# Altium PCB PD_dvd.PcbDoc
Units mm, origin at the board's own origin, x right, y up, seen from the top; angles counter-clockwise.
Board outline 70.62 x 31.89 mm, 2 copper layers (Top Layer, Bottom Layer), stack 1.571 mm thick; 91 components, 45 nets, 228 pads, 131 vias.
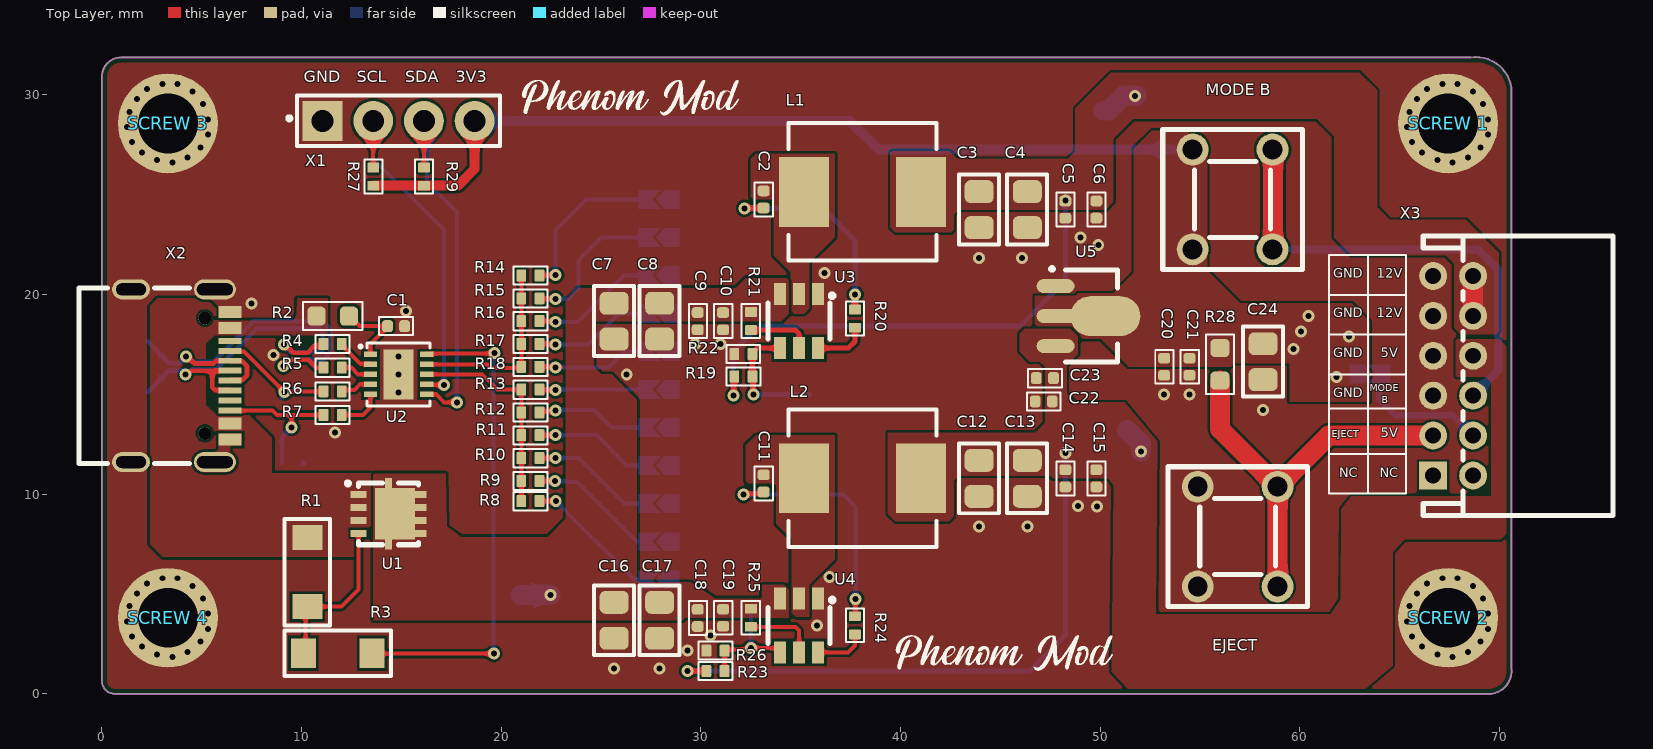
[diagram p0: Top Layer view]
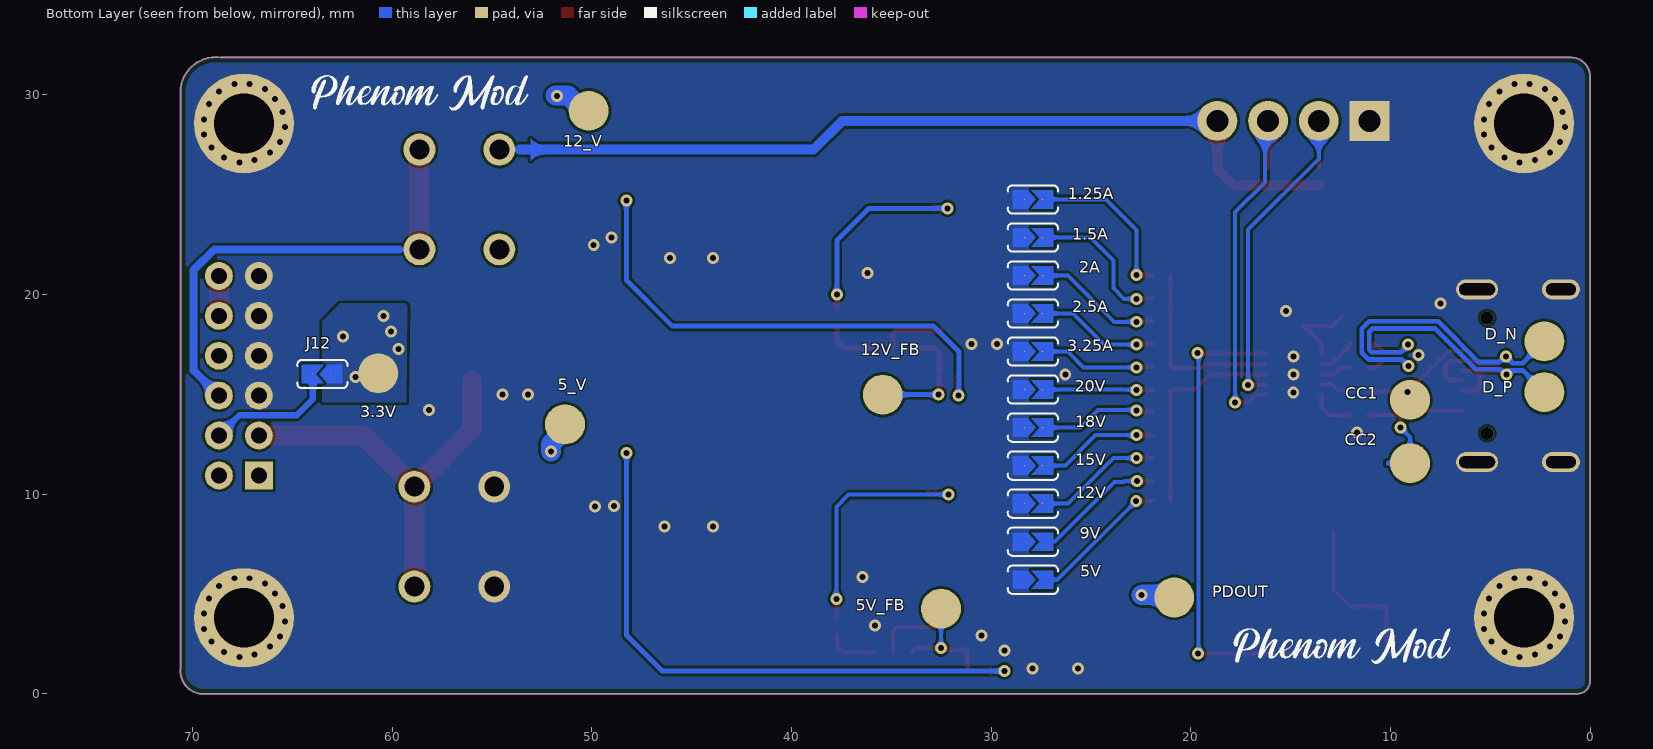
[diagram p1: Bottom Layer view, seen from below]
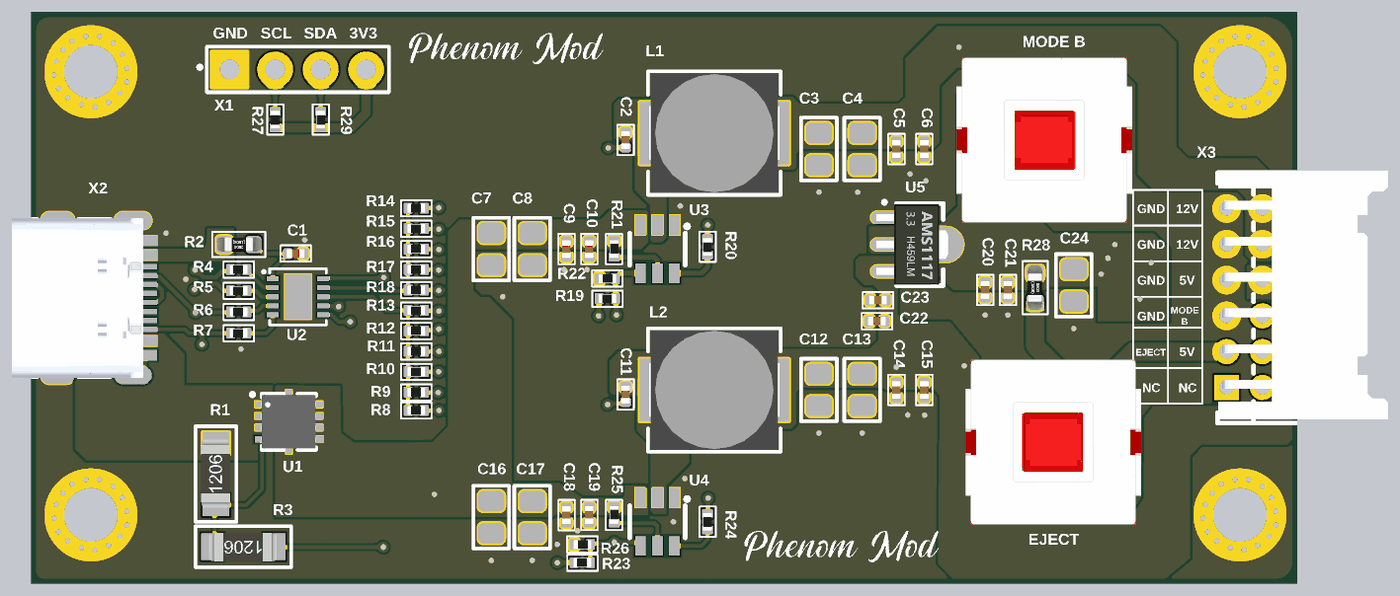
[diagram p2: 3D render of the assembled board from above, using the file's embedded part models]

## Layer stack, top to bottom
Top Solder: solder mask 0.0102, Solder Resist, Dk 3.8
Top Layer: signal copper 0.0356
Dielectric 1: dielectric 1.5, FR-4, Dk 4.8
Bottom Layer: signal copper 0.0356
Bottom Solder: solder mask 0.0102, Solder Resist, Dk 3.8

## Board outline
0.635,0 cw(c0.634,0.634) 0,0.635 0,30.988 cw(c0.953,30.924) 1.016,31.877 1.032,31.877 68.58,31.877 cw(c68.834,30.099) 70.612,30.353 70.612,1.27 cw(c69.469,1.143) 69.596,0

## Design rules (kind name [scope] priority, off if disabled: settings)
Clearance Clearance_keepout [OnLayer('Keep-Out Layer')] p1: gap=0.2 ignorepadtopadclearanceinfootprint=TRUE
Clearance [All] p2: gap=0.125 ignorepadtopadclearanceinfootprint=TRUE
DiffPairsRouting [All] p1: maxlimit=0.127 minlimit=0.127 mostfreqgap=0.127 toplayer_minwidth=0.237 toplayer_maxwidth=0.237 toplayer_prefwidth=0.237 bottomlayer_minwidth=0.237 bottomlayer_maxwidth=0.237 bottomlayer_prefwidth=0.237 impedanceprofiledriven=TRUE impedanceprofileid={5E5A4FA6-944C-4DC3-883A-710150A0DFEA} impedanceprofilevalue=90.000000 maxuncoupledlength=12.7
MinimumSolderMaskSliver [All] p1 off: minsoldermaskwidth=0.254
PolygonConnect [All] p1: connectstyle=Direct reliefconductorwidth=0.254 reliefentries=4 polygonreliefangle="90 Angle" airgapwidth=0.254
RoutingVias [All] p1: holewidth=0.711 width=1.27 viastyle="Through Hole" minholewidth=0.711 minwidth=1.27 maxholewidth=0.711 maxwidth=1.27
SilkToSilkClearance [All] p1 off: silktosilkclearance=0.254
SilkToSolderMaskClearance [IsPad] p1 off: minsilkscreentomaskgap=0.254 clearancetoexposedcopper=TRUE
SolderMaskExpansion [All] p1: expansion=0.102 istentingtop=FALSE
SupplyNets "Schematic Supply Nets_5" [InNet('GND')] p1: voltage=0.000
SupplyNets "Schematic Supply Nets_4" [InNet('VBUS')] p2: voltage=0.000
SupplyNets "Schematic Supply Nets_3" [InNet('3.3V')] p3: voltage=0.000
SupplyNets "Schematic Supply Nets_2" [InNet('12V')] p4: voltage=0.000
SupplyNets "Schematic Supply Nets_1" [InNet('VOUT')] p5: voltage=0.000
SupplyNets "Schematic Supply Nets" [InNet('5V')] p6: voltage=0.000
Width [All] p1: maxlimit=5 minlimit=0.12 preferedwidth=0.254 minimp=50.000000 maximp=50.000000 favimp=50.000000
26 further rules are at their usual default settings.

## Classes and differential pairs
differential pair class USB: D
component class USB_PD: 1.5A 1.25A 2.5A 2A 3.25A 5V 9V 12V 15V 18V 20V C1 CC1 CC2 D_N D_P PDOUT R1 R2 R3 R4 R5 R6 R7 R8 R9 R10 R11 R12 R13 R14 R15 R16 R17 R18 R27 R29 U1 U2 X1 X2
component class CONNECTOR: C24 EJECT J12 "MODE B" R28 "SCREW 1" "SCREW 2" "SCREW 3" "SCREW 4" X3
component class Buck_Regulator: 3.3V 5_V 5V_FB 12_V 12V_FB C2 C3 C4 C5 C6 C7 C8 C9 C10 C11 C12 C13 C14 C15 C16 C17 C18 C19 C20 C21 C22 C23 L1 L2 R19 R20 R21 R22 R23 R24 R25 R26 U3 U4 U5
differential pair D: +D_P -D_N

## Components (designator, comment, footprint, x,y, rotation, side; value= is the part's Value field where it differs from the comment)
1.5A "Jumper" PAD-JUMPER-2-NC_BY_PASTE_YES_SILK 27.813,22.86 r180 bottom
1.25A "Jumper" PAD-JUMPER-2-NC_BY_PASTE_YES_SILK 27.813,24.765 r180 bottom
2.5A "Jumper" PAD-JUMPER-2-NC_BY_PASTE_YES_SILK 27.813,19.05 r180 bottom
2A "Jumper" PAD-JUMPER-2-NC_BY_PASTE_YES_SILK 27.813,20.955 r180 bottom
3.3V "TEST POINT" TESTPOINT 60.706,16.054 r90 bottom
3.25A "Jumper" PAD-JUMPER-2-NC_BY_PASTE_YES_SILK 27.813,17.145 r180 bottom
5_V "TEST POINT" TESTPOINT 51.352,13.494 r180 bottom
5V "Jumper" PAD-JUMPER-2-NC_BY_PASTE_YES_SILK 27.813,5.715 r180 bottom
5V_FB "TEST POINT" TESTPOINT 32.512,4.265 r90 bottom
9V "Jumper" PAD-JUMPER-2-NC_BY_PASTE_YES_SILK 27.813,7.62 r180 bottom
12_V "TEST POINT" TESTPOINT 50.165,29.21 r270 bottom
12V "Jumper" PAD-JUMPER-2-NC_BY_PASTE_YES_SILK 27.813,9.525 r180 bottom
12V_FB "TEST POINT" TESTPOINT 35.433,14.986 r90 bottom
15V "Jumper" PAD-JUMPER-2-NC_BY_PASTE_YES_SILK 27.813,11.43 r180 bottom
18V "Jumper" PAD-JUMPER-2-NC_BY_PASTE_YES_SILK 27.813,13.335 r180 bottom
20V "Jumper" PAD-JUMPER-2-NC_BY_PASTE_YES_SILK 27.813,15.24 r180 bottom
C1 "SMD capacitor" "CAP 0402" 14.732,18.415 r0 top value=1uF
C2 "SMD capacitor" "CAP 0402" 33.147,24.765 r270 top value=100nF
C3 "SMD capacitor" CAP_0805 43.942,24.257 r270 top value=10uF
C4 "SMD capacitor" CAP_0805 46.355,24.257 r270 top value=10uF
C5 "SMD capacitor" "CAP 0402" 48.26,24.257 r270 top value=1uF
C6 "SMD capacitor" "CAP 0402" 49.813,24.26 r270 top value=100nF
C7 "SMD capacitor" CAP_0805 25.654,18.666 r270 top value=10uF
C8 "SMD capacitor" CAP_0805 27.94,18.666 r270 top value=10uF
C9 "SMD capacitor" "CAP 0402" 29.845,18.669 r270 top value=1uF
C10 "SMD capacitor" "CAP 0402" 31.115,18.669 r270 top value=100nF
C11 "SMD capacitor" "CAP 0402" 33.147,10.541 r270 top value=100nF
C12 "SMD capacitor" CAP_0805 43.942,10.792 r270 top value=10uF
C13 "SMD capacitor" CAP_0805 46.355,10.795 r270 top value=10uF
C14 "SMD capacitor" "CAP 0402" 48.26,10.795 r270 top value=1uF
C15 "SMD capacitor" "CAP 0402" 49.813,10.795 r270 top value=100nF
C16 "SMD capacitor" CAP_0805 25.654,3.683 r270 top value=10uF
C17 "SMD capacitor" CAP_0805 27.94,3.683 r270 top value=10uF
C18 "SMD capacitor" "CAP 0402" 29.845,3.801 r270 top value=1uF
C19 "SMD capacitor" "CAP 0402" 31.115,3.81 r270 top value=100nF
C20 "SMD capacitor" "CAP 0402" 53.213,16.383 r270 top value=1uF
C21 "SMD capacitor" "CAP 0402" 54.483,16.383 r270 top value=100nF
C22 "SMD capacitor" "CAP 0402" 47.179,14.646 r180 top value=1uF
C23 "SMD capacitor" "CAP 0402" 47.237,15.814 r180 top value=100nF
C24 "SMD capacitor" CAP_0805 58.166,16.637 r270 top value=10uF
CC1 "TEST POINT" TESTPOINT 9.017,14.732 r180 bottom
CC2 "TEST POINT" TESTPOINT 9.017,11.557 r180 bottom
D_N "TEST POINT" TESTPOINT 2.286,17.653 r180 bottom
D_P "TEST POINT" TESTPOINT 2.286,15.113 r180 bottom
EJECT "THT Button" SW-TH_BTSA-X-P-11 56.896,7.874 r270 top value=N/A
J12 "Jumper" PAD-JUMPER-2-NC_BY_PASTE_YES_SILK 63.603,16.018 r0 bottom
L1 "POWER INDUCTOR" INDP7166X50N 38.1,25.146 r0 top value=10uH
L2 "POWER INDUCTOR" INDP7166X50N 38.1,10.795 r0 top value=10uH
"MODE B" "THT Button" SW-TH_BTSA-X-P-11 56.642,24.765 r90 top value=N/A
PDOUT "TEST POINT" TESTPOINT 20.828,4.826 r90 bottom
R1 "SMD resistor" RES_1206 10.287,6.096 r90 top value=49.9K
R2 "SMD resistor" RES_0603 11.557,18.923 r180 top value=10R
R3 "SMD resistor" RES_1206 11.811,2.032 r180 top value=5.1K
R4 "SMD resistor" "RES 0402" 11.551,17.526 r180 top value=0R
R5 "SMD resistor" "RES 0402" 11.551,16.341 r180 top value=0R
R6 "SMD resistor" "RES 0402" 11.551,15.155 r180 top value=0R
R7 "SMD resistor" "RES 0402" 11.551,13.97 r180 top value=0R
R8 "SMD resistor" "RES 0402" 21.463,9.652 r180 top value=0R
R9 "SMD resistor" "RES 0402" 21.463,10.668 r180 top value=6.04K
R10 "SMD resistor" "RES 0402" 21.463,11.811 r180 top value=10K
R11 "SMD resistor" "RES 0402" 21.463,12.954 r180 top value=14K
R12 "SMD resistor" "RES 0402" 21.463,14.097 r180 top value=5.1K
R13 "SMD resistor" "RES 0402" 21.463,15.24 r180 top value=17.8K
R14 "SMD resistor" "RES 0402" 21.463,20.955 r180 top value=0R
R15 "SMD resistor" "RES 0402" 21.463,19.812 r180 top value=4.53K
R16 "SMD resistor" "RES 0402" 21.463,18.669 r180 top value=10.5K
R17 "SMD resistor" "RES 0402" 21.463,17.526 r180 top value=16.5K
R18 "SMD resistor" "RES 0402" 21.463,16.383 r180 top value=22.6K
R19 "SMD resistor" "RES 0402" 32.133,15.903 r180 top value=190K
R20 "SMD resistor" "RES 0402" 37.719,18.796 r270 top value=0R
R21 "SMD resistor" "RES 0402" 32.512,18.673 r90 top value=510K
R22 "SMD resistor" "RES 0402" 32.131,17.018 r0 top value=10K
R23 "SMD resistor" "RES 0402" 30.734,1.143 r180 top value=73.3K
R24 "SMD resistor" "RES 0402" 37.719,3.429 r270 top value=0R
R25 "SMD resistor" "RES 0402" 32.512,3.81 r90 top value=510K
R26 "SMD resistor" "RES 0402" 30.734,2.159 r0 top value=10K
R27 "SMD resistor NC" "RES 0402" 13.589,25.908 r270 top value=10K
R28 "SMD resistor" RES_0603 56.007,16.51 r270 top value=330R
R29 "SMD resistor NC" "RES 0402" 16.129,25.908 r270 top value=10K
"SCREW 1" "Screw Hole" "PCB hole" 67.437,28.575 r90 top
"SCREW 2" "Screw Hole" "PCB hole" 67.437,3.81 r90 top
"SCREW 3" "Screw Hole" "PCB hole" 3.302,28.575 r90 top
"SCREW 4" "Screw Hole" "PCB hole" 3.302,3.81 r90 top
U1 "P-Channel  MOSFET" PRPAK-8_L3.0-W3.0-P0.65-BL-EP 14.351,9.017 r270 top
U2 "USB-PD-IC" DFN-10 14.859,16.002 r270 top value=HUSB238_002DD
U3 "Buck IC" SOT-23-6_L2.9-W1.6-P0.95-LS2.8-BR 34.925,18.669 r90 top
U4 "Buck IC" SOT-23-6_L2.9-W1.6-P0.95-LS2.8-BR 34.925,3.429 r90 top
U5 "3.3V LDO" SOT-89-3_L4.5-W2.5-P1.50-LS4.1-BR 49.022,18.923 r180 top
X1 "Header X 5" SAMTEC_TS-104-T-A 16.129,28.702 r0 top
X2 "USB-C connector" USB-C-SMD_TYPEC-304J-BCP16 3.937,15.935 r270 top
X3 "Connector" CONN-TH_S12B-PHDSS-B-LF-SN 67.691,15.935 r90 top

## Footprints (in the part's own frame and the unit in brackets; to place one, negate y for a bottom-side part, rotate by r counter-clockwise, add the part's x,y. Pads: shape width x height; smd on the part's side, far side on the other; paste and mask are expansions set on the pad)
"CAP 0402" [mm]
  rrect53% 0.54x0.6 smd: 1(-0.43,0) 2(0.43,0)
  silkscreen extent -0.85,-0.45 0.85,0.46, body extent -0.5,-0.25 0.5,0.25, height 0.55
CAP_0805 [mm]
  rrect50% 1.15x1.45 smd: 1(-0.9,0) 2(0.9,0)
  silkscreen extent -1.75,-1.01 1.75,0.99, body extent -0.99,-0.63 1.01,0.62, height 1.25
CONN-TH_S12B-PHDSS-B-LF-SN [mm]
  rect 1.4x1.4 hole 0.8: 1(-5,1)
  round 1.4 hole 0.8: 2(-5,-1) 3(-3,1) 4(-3,-1) 5(-1,1) 6(-1,-1) 7(1,1) 8(1,-1) 9(3,1) 10(3,-1) 11(5,1) 12(5,-1)
  silkscreen extent -7,-8 7,1.5, body extent -6.78,-8.02 7.12,1.48, height 5
DFN-10 [mm]
  rect 0.28x0.665 smd paste+0 mask+0.05: 1(-1,-1.407) 2(-0.5,-1.407) 3(0,-1.407) 4(0.5,-1.407) 5(1,-1.407) 6(1,1.407) 7(0.5,1.407) 8(0,1.407) 9(-0.5,1.407) 10(-1,1.407)
  rect 2.5x1.5 smd paste+0 mask+0.05: 11(0,0)
  silkscreen extent -1.58,-1.98 1.58,1.58, body extent -1.5,-1.5 1.5,1.51, height 0.76
INDP7166X50N [mm] "Precision Wire Wound Inductor, 2-Leads, Body 7.10x6.60mm, IPC Medium Density"
  rect 2.5x3.5 smd: 1(-2.925,0) 2(2.925,0)
  silkscreen extent -3.7,-3.45 3.7,3.45, body extent -3.65,-3.3 3.65,3.3, height 5.1
PAD-JUMPER-2-NC_BY_PASTE_YES_SILK [mil]
  round 1 smd mask+4: 1(-20.53,0.09) 2(14.97,0.09)
  Top Layer region: -6.78,18.09 36.72,18.09 36.72,-17.91 -6.78,-17.91 9.72,0.09
  Top Layer region: -14.28,-17.91 -43.28,-17.91 -43.28,18.09 -14.28,18.09 2.22,0.09
  silkscreen extent -53,-28 46,28
"PCB hole" [mm]
  round 5 hole 3: 1(0,0)
PRPAK-8_L3.0-W3.0-P0.65-BL-EP [mm]
  rect 0.35x0.8 smd paste-100 mask+0.051: 1(-0.975,-1.5) 2(-0.325,-1.5) 3(0.325,-1.5) 4(0.975,-1.5) 5(0.975,1.5) 6(0.325,1.5) 7(-0.325,1.5) 8(-0.975,1.5)
  rect 0.6x0.35 smd paste-100 mask+0.051: 8(-1.5,0) 8(1.5,0)
  rect 2.6x2 smd paste-100 mask+0.051: 8(0,0.325)
  silkscreen extent -1.57,-2.08 1.55,1.5, body extent -1.5,-1.53 1.5,1.53, height 1
"RES 0402" [mm]
  rrect20% 0.49x0.6 smd: 1(-0.455,0) 2(0.455,0)
  silkscreen extent -0.85,-0.45 0.84,0.46, body extent -0.5,-0.25 0.5,0.25, height 0.36
RES_0603 [mm]
  rrect50% 0.9x0.96 smd mask+0.102: 1(-0.814,0) 2(0.814,0)
  silkscreen extent -1.49,-0.7 1.49,0.7, body extent -1.23,-0.41 1.23,0.39, height 0.8
RES_1206 [mm]
  rect 1.25x1.5 smd: 1(-1.725,0) 2(1.725,0)
  silkscreen extent -2.67,-1.14 2.67,1.14, body extent -1.88,-0.78 1.92,0.82, height 0.6
SAMTEC_TS-104-T-A [mm]
  rect 2x2 hole 1.1: 01(-5.08,0)
  round 2 hole 1.1: 02(-2.54,0) 03(0,0) 04(2.54,0)
  silkscreen extent -6.85,-1.27 3.81,1.27
SOT-23-6_L2.9-W1.6-P0.95-LS2.8-BR [mm]
  rect 1.1x0.6 smd paste+0 mask+0.051: 1(1.35,-0.95) 2(1.35,0) 3(1.35,0.95) 4(-1.35,0.95) 5(-1.35,0) 6(-1.35,-0.95)
  silkscreen extent -0.9,-1.74 1.36,1.55, body extent -1.41,-1.45 1.41,1.45, height 1
SOT-89-3_L4.5-W2.5-P1.50-LS4.1-BR [mm]
  oval 1.9x0.7 smd paste-100 mask+0.051: 1(1.25,-1.501) 3(1.25,1.501)
  oval 3.5x2 smd paste-100 mask+0.051: 2(-1.25,0)
  oval 2.1x0.7 smd paste-100 mask+0.051: 2(1.151,0)
  silkscreen extent -1.85,-2.42 1.49,2.3, body extent -2.13,-2.25 1.87,2.25, height 1.52
SW-TH_BTSA-X-P-11 [mm]
  round 1.6 hole 1: 1(-2.5,2) 2(-2.5,-2) 3(2.5,2) 4(2.5,-2)
  silkscreen extent -3.5,-3.5 3.5,3.5, body extent -4.6,-4.77 4.6,5.03, height 17.84
TESTPOINT [mm]
  round 2 smd: 1(0,0)
USB-C-SMD_TYPEC-304J-BCP16 [mm]
  oval 1x2.1 hole 0.6 slot 1.8 at 90 deg paste-2539.97 mask+0.051: 13(-4.325,1.719) 14(4.325,1.719)
  oval 1x1.9 hole 0.6 slot 1.5 at 90 deg paste-2539.97 mask+0.051: 15(-4.325,-2.481) 16(4.325,-2.481)
  rect 0.6x1.15 smd mask+0.04: A1B12(-3.2,2.481) A4B9(-2.4,2.481) B1A12(3.2,2.481) B4A9(2.4,2.481)
  rect 0.3x1.15 smd mask+0.04: A5(-1.25,2.481) A6(-0.25,2.481) A7(0.25,2.481) A8(1.25,2.481) B5(1.75,2.481) B6(0.75,2.481) B7(-0.75,2.481) B8(-1.75,2.481)
  round 0.65 hole 0.65 unplated paste-2539.97: ""(-2.89,1.219) ""(2.89,1.219)
  silkscreen extent -4.4,-5.08 4.4,0.44, body extent -4.47,-5.06 4.47,2.54, height 0.5

## Part data
1.5A 1.25A 2.5A 2A 3.25A 5V 9V 12V 15V 18V 20V J12: library part "JUMPER SOLDER BRIDGE", "SMD JUMPER"
C1 C2 C5 C6 C9 C10 C11 C14 C15 C18 C19 C20 C21 C22 C23: library part CAP_SMD_CERAMIC, Package=0603, Tolerance=±10%, Voltage=50V
C3 C4 C7 C8 C12 C13 C16 C17 C24: library part CAP_SMD_CERAMIC, Package=0805, Tolerance=±10%, Voltage=50V
EJECT "MODE B": library part BTSA-L-P-11, "Latching Through Hole 10,000 Cycles Without 2.5N 50mA Through Hole Pushbutton Switches ROHS", JLCPCB Part #=C2693635, Package=THT, Tolerance=N/A, Data Sheet=https://www.lcsc.com/datasheet/C2693635.pdf, Manifacturing Company Name="ROCPU Switches", Manifacturing Part Number=BTSA-L-P-11, Price=N/A
L1 L2: library part PSPMAA0605H-100M-ANP, "FIXED IND 10uH 4.5A 57mΩ SMD,6.6x7.1mm", Package=SMD,6.6x7.1mm, Data Sheet=https://www.lcsc.com/datasheet/C2983092.pdf, Manifacturing Company Name="PROD Tech", Manifacturing Part Number=PSPMAA0605H-100M-ANP
R1 R2 R3 R28: library part RES_SMD_CERAMIC, Package=0603, Tolerance=±5%
R4 R5 R6 R7 R8 R9 R10 R11 R12 R13 R14 R15 R16 R17 R18 R19 R20 R21 R22 R23 R24 R25 R26 R27 R29: library part RES_SMD_CERAMIC, Package=0402, Tolerance=±5%
"SCREW 1" "SCREW 2" "SCREW 3" "SCREW 4": "SCREW Hole"
U1: library part AONR21307, "30V 24A 9.2mΩ@10V 1.8V@250uA 1 P-Channel DFN-8(3x3) MOSFETs ROHS", JLCPCB Part #=C3277813, Package=DFN-8(3x3), Tolerance=N/A, Data Sheet=https://www.lcsc.com/datasheet/C3277813.pdf, Manifacturing Company Name=AOS, Manifacturing Part Number=AONR21307
U2: library part USB_PD_HUSB238, "DFN-10L(3x3) USB Converters ROHS", JLCPCB Part #=C7471904, Manifacturing Part Number=HUSB238_002DD, Package=DFN-10L(3x3), Tolerance=N/A, Data Sheet=https://www.lcsc.com/datasheet/C7471904.pdf, Manifacturing Company Name=Hynetek
U3 U4: library part TPP363080-T6TR, "Buck Adjustable 4.5V~36V 3A TSOT-23-6 DC-DC Converters ROHS", JLCPCB Part #=C18236275, Package=TSOT-23-6, Tolerance=N/A, Data Sheet=https://www.lcsc.com/datasheet/C18236275.pdf, Manifacturing Company Name=3PEAK, Manifacturing Part Number=TPP363080-T6TR
U5: library part AMS1117S-3.3, "70dB@(120Hz) 1A Fixed 3.3V Positive 30V SOT-89-3 Voltage Regulators - Linear, Low Drop Out (LDO) Regulators ROHS", JLCPCB Part #=JSMSEMI, Package=SOT-89-3, Tolerance=N/A, Data Sheet=https://www.lcsc.com/datasheet/C917152.pdf, Manifacturing Company Name=JSMSEMI, Manifacturing Part Number=AMS1117S-3.3
X1: library part "4 Pin Header", "4 pin header pitch 2.54mm", JLCPCB Part #=C91552, Package="THT P 2.54mm", Tolerance=N/A, Data Sheet=https://datasheet.lcsc.com/lcsc/2304140030_BOOMELE-Boom-Precision-Elec-C91552_C91552.pdf, Manifacturing Company Name="BOOMELE(Boom Precision Elec)", Manifacturing Part Number=C91552
X2: library part TYPEC-304J-BCP16, "5A USB 3.1 1 Surface Mount, Right Angle 16P Female -40℃~+85℃ Type-C SMD USB Connectors ROHS", JLCPCB Part #=C2835315, Package=SMD, Tolerance=N/A, Data Sheet=https://www.lcsc.com/datasheet/C2835315.pdf, Manifacturing Company Name=XUNPU, Manifacturing Part Number=TYPEC-304J-BCP16
X3: library part S12B-PHDSS-B(LF)(SN), "2x6P 12P PHD Tin 2mm 6 -25℃~+85℃ 3A 2 2mm Copper Alloy Right Angle Through Hole,Right Angle,P=2mm Wire To Board Connector ROHS", JLCPCB Part #=C493114, Package="Through Hole,Right Angle,P=2mm", Tolerance=±5%, Data Sheet=https://www.lcsc.com/datasheet/C493114.pdf, Manifacturing Company Name=JST, Manifacturing Part Number=S12B-PHDSS-B(LF)(SN)

## Via types
v1: diameter 0.6, hole 0.3, Top Layer to Bottom Layer, tented both sides, 131 vias

## Nets (pads, with @x,y where several pads share a name; then routed paths per layer and width w, separated by ;. In a path a pad name is that pad's centre, name@x,y a point inside that pad or via, vN(x,y) a via of type N, cw(c..) or ccw(c..) an arc to the next point about the centre after c; other vN are vias at no path point)
3.3V: 3.3V.1 "MODE B.1" "MODE B.3" C20.1 C21.1 C24.1 J12.1 R27.2 R28.1 R29.2 U5.2 X1.04 | length 43.4
  Top Layer w0.5: R27.2 R29.2 17.833,25.453 18.669,26.289 X1.04
  Bottom Layer w0.5: X1.04 37.465,28.702 38.902,27.265 53.642,27.265
  other v1: 61.849,15.875 59.69,17.272 62.484,17.907 60.071,18.161 60.452,18.923
5V: 5_V.1 C12.1 C13.1 C14.1 C15.1 C22.1 C23.1 L2.2 R23.2 U5.3 X3.8 | length 31.1
  Top Layer w0.254: v1(29.337,1.143) R23.2
  Bottom Layer w0.254: v1(29.337,1.143) 46.482,1.143 48.26,2.921 v1(48.26,12.065)
  Bottom Layer w1: 5_V.1@51.352,13.223 52.05,12.525 v1(52.05,12.139)
12V: 12_V.1 C3.1 C4.1 C5.1 C6.1 L1.2 R19.2 X3.10 X3.12 | length 29.2
  Top Layer w0.254: v1@31.658,14.953 31.658,15.883 R19.2
  Top Layer w1: X3.10 X3.12
  Bottom Layer w0.254: v1@31.623,14.986 31.623,17.145 32.893,18.415 45.974,18.415 48.275,20.716 v1(48.275,24.712)
  Bottom Layer w1: 12_V.1 50.436,29.21 51.198,29.972 v1@51.816,29.972
  other v1: 31.638,14.933 51.754,29.954
CC1: CC1.1 R6.2 X2.A5 | length 6
  Top Layer w0.2: X2.A5 6.466,17.137 7.12,17.137 v1(9.144,15.113) 9.165,15.134 11.075,15.134 R6.2
  Bottom Layer w0.2: CC1.1 9.017,14.986 v1(9.144,15.113)
CC2: CC2.1 R7.2 X2.B5 | length 7.4
  Top Layer w0.2: X2.B5 8.548,14.185 8.763,13.97 9.5,13.97 ; v1(9.5,13.344) 9.5,13.97 ; R7.2 9.5,13.97
  Bottom Layer w0.2: CC2.1 9.017,12.861 v1(9.5,13.344)
D_N: D_N.1 R5.2 X2.A7 X2.B7 | length 21.7
  Top Layer w0.237: v1(4.219,16.906) 4.269,16.906 4.627,16.549 5.589,16.549 5.725,16.685 X2.B7 6.45,16.653 7.02,16.653 7.268,16.405 7.268,15.965 7.02,15.717 6.45,15.717 X2.A7 ; v1@9.144,16.383 9.489,16.728 10.345,16.728 10.733,16.341 R5.2
  Bottom Layer w0.237: D_N.1 3.374,16.565 3.878,16.565 v1(4.219,16.906) 4.263,16.906 4.55,16.62 5.564,16.62 7.605,18.66 11.064,18.66 11.43,18.294 11.43,17.094 11.078,16.743 9.41,16.743 9.09,16.422 v1(9.09,16.41)
D_P: D_P.1 R4.2 X2.A6 X2.B6 | length 19.8
  Top Layer w0.237: v1(4.191,16.002) 4.289,16.002 4.472,16.185 5.526,16.185 ; X2.B6 6.387,15.217 5.664,15.217 5.526,15.355 5.526,16.185 ; X2.A6 5.526,16.185 ; v1@9.144,17.526 9.578,17.092 10.298,17.092 10.642,17.435 11.005,17.435 R4.2
  Bottom Layer w0.237: D_P.1 3.374,16.201 3.992,16.201 v1(4.191,16.002) 4.257,16.002 4.511,16.256 5.715,16.256 7.755,18.296 10.914,18.296 11.066,18.144 11.066,17.245 10.928,17.106 9.455,17.106 9.111,17.45 v1(9.111,17.495)
GATE: R3.1 U2.10 | length 24.6
  Top Layer w0.2: R3.1 13.559,2.009 v1(19.628,2.009) ; U2.10 16.305,17.041 19.614,17.041 v1(19.653,17.08)
  Bottom Layer w0.2: v1(19.628,2.009) 19.603,2.034 19.603,17.029 v1(19.653,17.08)
GND: 1.5A.1 1.25A.1 2.5A.1 2A.1 3.25A.1 5V.1 9V.1 12V.1 15V.1 18V.1 20V.1 "SCREW 1.1" "SCREW 2.1" "SCREW 3.1" "SCREW 4.1" C1.2 C3.2 C4.2 C5.2 C6.2 C7.2 C8.2 C9.2 C10.2 C12.2 C13.2 C14.2 C15.2 C16.2 C17.2 C18.2 C19.2 C20.2 C21.2 C22.2 C23.2 C24.2 EJECT.2 EJECT.4 R22.1 R26.1 U2.11 U3.1 U4.1 U5.1 X1.01 X2.13 X2.14 X2.15 X2.16 X2.A1B12 X2.B1A12 X3.5 X3.7 X3.9 X3.11 | length 0
  Top Layer w0.254: v1(48.895,9.398) v1@48.905,9.388 ; v1@49.83,9.388 v1(49.84,9.379)
  other v1: 25.654,1.27 27.94,1.27 3.527,1.851 67.662,1.851 2.765,1.978 66.9,1.978 4.289,2.105 68.424,2.105 29.337,2.159 2.003,2.359 66.138,2.359 4.924,2.613 69.059,2.613 1.495,2.867 65.63,2.867 30.48,2.921 5.305,3.248 69.44,3.248 35.814,3.429 1.241,3.629 65.376,3.629 5.305,4.01 69.44,4.01 1.368,4.391 65.503,4.391 5.051,4.772 69.186,4.772 1.749,5.026 65.884,5.026 4.543,5.407 68.678,5.407 2.257,5.534 66.392,5.534 3.019,5.788 3.781,5.788 67.154,5.788 67.916,5.788 36.449,5.842 43.942,8.382 46.355,8.382 11.684,13.081 58.166,14.224 53.213,14.986 54.483,14.986 14.867,15.082 14.859,16.002 26.289,16.002 14.859,16.891 8.599,16.981 29.718,17.526 30.988,17.526 15.24,19.177 7.493,19.558 36.195,21.082 43.942,21.844 46.101,21.844 49.911,22.479 49.022,22.86 3.527,26.616 67.662,26.616 2.765,26.743 66.9,26.743 4.289,26.87 68.424,26.87 2.003,27.124 66.138,27.124 4.924,27.378 69.059,27.378 1.495,27.632 65.63,27.632 5.305,28.013 69.44,28.013 1.241,28.394 65.376,28.394 5.305,28.775 69.44,28.775 1.368,29.156 65.503,29.156 5.051,29.537 69.186,29.537 1.749,29.791 65.884,29.791 4.543,30.172 68.678,30.172 2.257,30.299 66.392,30.299 3.019,30.553 3.781,30.553 67.154,30.553 67.916,30.553
ISET: R14.2 R15.2 R16.2 R17.2 R18.2 U2.9 | length 9.4
  Top Layer w0.2: U2.9 19.312,16.502 19.482,16.332 20.957,16.332 R18.2 R17.2 R16.2 R14.2
Net1.5A_2: 1.5A.2 R15.1 | length 7.5
  Top Layer w0.2: R15.1 21.933,19.797 v1@22.845,19.797
  Bottom Layer w0.2: v1@22.963,19.781 23.337,19.781 23.876,20.32 23.876,21.717 25.021,22.862 1.5A.2
  other v1: 22.721,19.781
Net1.25A_2: 1.25A.2 R14.1 | length 8.3
  Top Layer w0.2: R14.1 21.928,20.965 22.711,20.965 v1(22.721,20.976)
  Bottom Layer w0.2: v1(22.721,20.976) 22.721,23.229 24.259,24.767 27.306,24.767
Net2.5A_2: 2.5A.2 R17.1 | length 6.2
  Top Layer w0.2: R17.1 v1@22.733,17.526
  Bottom Layer w0.2: v1@22.727,17.495 24.353,17.495 25.91,19.052 2.5A.2
  other v1: 22.721,17.495
Net2A_2: 2A.2 R16.1 | length 6.5
  Top Layer w0.2: R16.1 v1@22.733,18.669
  Bottom Layer w0.2: v1@22.727,18.638 23.845,18.638 26.162,20.955 27.43,20.955 2A.2
  other v1: 22.721,18.638
Net3.25A_2: 3.25A.2 R18.1 | length 5.8
  Top Layer w0.2: R18.1 v1@22.987,16.383
  Bottom Layer w0.2: v1@22.981,16.352 25.369,16.352 26.164,17.147 3.25A.2
  other v1: 22.721,16.352
Net5V_2: 5V.2 R8.1 | length 7.1
  Top Layer w0.2: R8.1 v1(22.733,9.652)
  Bottom Layer w0.2: v1(22.733,9.652) 26.668,5.717 5V.2
Net5V_FB_1: 5V_FB.1 R23.1 R26.2 U4.4 | length 5.9
  Top Layer w0.2: R23.1 R26.2 31.253,2.222 32.448,2.222 v1(32.512,2.286) 33.775,2.286 33.975,2.086 U4.4
  Bottom Layer w0.2: v1(32.512,2.286) 5V_FB.1
Net9V_2: 9V.2 R9.1 | length 6.8
  Top Layer w0.2: R9.1 21.928,10.658 22.675,10.658 v1(22.684,10.649)
  Bottom Layer w0.2: v1@22.675,10.658 23.314,10.658 23.369,10.603 23.814,10.603 26.795,7.622 9V.2
Net12V_2: 12V.2 R10.1 | length 6.5
  Top Layer w0.2: R10.1 v1(22.721,11.811)
  Bottom Layer w0.2: v1(22.721,11.811) 23.876,11.811 26.16,9.527 12V.2
Net12V_FB_1: 12V_FB.1 R19.1 R22.2 U3.4 | length 6.4
  Top Layer w0.254: v1(32.639,14.986) 32.614,15.011 32.614,15.877 R19.1 32.587,17.017 R22.2 32.586,17.073 32.832,17.319 U3.4
  Bottom Layer w0.254: v1(32.639,14.986) 12V_FB.1
Net15V_2: 15V.2 R11.1 | length 6
  Top Layer w0.2: R11.1 v1(22.721,12.954)
  Bottom Layer w0.2: v1@22.86,12.954 24.765,12.954 26.287,11.432 15V.2
Net18V_2: 18V.2 R12.1 | length 5.8
  Top Layer w0.2: R12.1 21.966,14.145 v1@22.806,14.145
  Bottom Layer w0.2: v1@22.86,14.224 24.638,14.224 25.525,13.337 18V.2
  other v1: 22.721,14.193
Net20V_2: 20V.2 R13.1 | length 5.5
  Top Layer w0.2: R13.1 21.933,15.225 v1@22.839,15.225
  Bottom Layer w0.2: v1@22.862,15.242 20V.2
  other v1: 22.721,15.209
NetC1_1: C1.1 R2.1 U2.1 | length 3.9
  Top Layer w0.2: R2.1@12.409,18.923 12.917,18.415 C1.1 14.302,18.385 13.443,17.526 13.443,17.011 U2.1
NetC2_1: C2.1 L1.1 U3.2
NetC2_2: C2.2 R20.1 | length 10.7
  Top Layer w0.254: v1@32.173,24.37 32.209,24.335 C2.2 ; R20.1 v1@37.719,20.066
  Bottom Layer w0.254: v1(32.189,24.317) 36.128,24.317 37.734,22.711 v1(37.734,20.013)
NetC11_1: C11.1 L2.1 U4.2
NetC11_2: C11.2 R24.1 | length 12.4
  Top Layer w0.2: v1@32.131,10.033 33.069,10.033 C11.2 ; R24.1 37.74,3.905 37.74,4.726 v1(37.761,4.747)
  Bottom Layer w0.2: v1(32.146,9.98) 37.137,9.98 37.761,9.356 v1(37.761,4.747)
NetEJECT_1: EJECT.1 EJECT.3 R28.2 X3.3 | length 20.4
  Top Layer w1: R28.2 56.007,13.263 EJECT.1 ; EJECT.3@58.896,5.347 EJECT.1 ; X3.3 61.457,12.935 EJECT.1
NetJ12_2: J12.2 X3.4 | length 6.7
  Bottom Layer w0.32: J12.2 63.983,14.757 64.789,13.951 66.282,13.951 66.283,13.95 67.099,13.95 67.1,13.951 67.675,13.951 X3.4
"NetMODE B_2": "MODE B.2" "MODE B.4" X3.6 | length 22.5
  Top Layer w1: 58.665,22.288 58.665,27.242
  Bottom Layer w0.4: 59.642,22.265 68.921,22.265 69.961,21.225 69.961,16.205 X3.6
NetR1_1: R1.1 R3.2 U1.4 | length 8
  Top Layer w0.2: R3.2 10.204,2.15 R1.1@10.204,4.288 ; R1.1 11.991,4.371 12.851,5.231 U1.4
NetR4_1: R4.1 U2.2 | length 1.9
  Top Layer w0.2: R4.1 12.006,17.471 12.935,16.542 13.412,16.542 U2.2
NetR5_1: R5.1 U2.3 | length 1.6
  Top Layer w0.2: R5.1 12.488,16.341 12.827,16.002 U2.3
NetR6_1: R6.1 U2.4 | length 1.6
  Top Layer w0.2: R6.1 12.079,15.228 12.639,15.228 12.913,15.502 U2.4
NetR7_1: R7.1 U2.5 | length 2.3
  Top Layer w0.2: R7.1 13.081,13.97 13.452,14.341 U2.5
NetR20_2: R20.2 U3.6 | length 2.7
  Top Layer w0.254: U3.6 37.385,17.319 37.719,17.653 R20.2
NetR21_1: R21.1 U3.5 | length 3.2
  Top Layer w0.254: R21.1 34.741,18.218 34.925,18.034 U3.5
NetR24_2: R24.2 U4.6 | length 2.5
  Top Layer w0.2: U4.6 37.385,2.079 37.719,2.413 R24.2
NetR25_1: R25.1 U4.5 | length 3.6
  Top Layer w0.2: R25.1 34.745,3.355 34.925,3.175 U4.5
SCL: R27.1 U2.7 X1.02 | length 17.9
  Top Layer w0.2: R27.1 X1.02 ; U2.7 16.288,15.48 17.107,15.48 v1(17.128,15.458)
  Bottom Layer w0.2: X1.02 13.589,26.797 17.128,23.258 v1(17.128,15.458)
SDA: R29.1 U2.6 X1.03 | length 18.8
  Top Layer w0.2: R29.1 X1.03 ; U2.6 16.274,14.994 16.756,14.994 17.145,14.605 v1(17.78,14.605)
  Bottom Layer w0.2: X1.03 16.286,28.545 16.286,25.624 17.78,24.13 v1(17.78,14.605)
VBUS: R1.2 R2.2 U1.1 U1.2 U1.3 X2.A4B9 X2.B4A9
VOUT: C7.1 C8.1 C9.1 C10.1 C16.1 C17.1 C18.1 C19.1 PDOUT.1 R21.2 R25.2 U1.5 U1.6 U1.7 U1.8 U3.3 U4.3 | length 1.5
  Bottom Layer w1: PDOUT.1@20.955,4.953 v1(22.479,4.953)
VSET: R8.2 R9.2 R10.2 R11.2 R12.2 R13.2 U2.8 | length 10.6
  Top Layer w0.2: U2.8 19.05,16.002 19.812,15.24 R13.2 R12.2 R11.2 R10.2 R8.2
pads on no net: X2. X2.A8 X2.B8 X3.1 X3.2

## Polygon pours and split planes (outlines as drawn)
VOUT on Top Layer "VOUT_L01_P002" (solid, pour order 2): 17.999,7.85 17.272,8.382 17.221,11.028 13.589,11.049 13.589,3.683 24.892,3.683 29.096,3.683 29.191,3.81 34.417,3.81 34.417,5.207 34.163,5.461 33.07,5.461 33.07,4.863 32.979,4.772 30.741,4.772 29.484,5.588 26.797,5.588 26.797,14.732 25.527,16.002 25.019,16.002 24.638,16.383 24.638,18.669 29.286,18.669 34.036,18.669 34.417,19.05 34.417,20.701 34.29,20.828 32.258,20.828 31.75,20.32 23.876,20.32 23.241,19.685 23.241,8.763 22.352,7.874
GND on Top Layer "GND_L01_P009" (solid, remove dead copper, pour order 9): 0.635,0 cw(c0.634,0.634) 0,0.635 0,30.988 cw(c0.953,30.924) 1.016,31.877 1.032,31.877 68.58,31.877 cw(c68.834,30.099) 70.612,30.353 70.612,1.27 cw(c69.469,1.143) 69.596,0
3.3V on Top Layer "3.3V_L01_P005" (solid, pour order 5): 46.736,19.939 46.736,18.542 46.863,18.415 46.866,18.418 48.505,18.418 49.142,17.78 50.038,17.78 51.432,16.386 56.539,16.386 56.719,16.566 59.492,16.566 59.492,14.629 63.5,14.629 63.5,18.669 62.611,19.558 57.023,19.558 55.372,21.209 55.372,27.178 54.332,28.218 52.602,28.218 51.689,27.305 51.689,21.082 50.673,20.066 48.895,20.066 48.768,19.939
5V on Top Layer "5V_L01_P004" (solid, pour order 4): 39.37,9.017 39.751,8.636 42.418,8.636 42.672,8.89 42.672,10.668 42.926,10.922 47.498,10.922 47.625,10.795 50.419,10.795 50.685,10.426 50.582,1.097 51.409,0.241 63.225,0.212 64.663,1.397 64.663,7.093 65.262,7.74 70.084,7.74 70.501,8.157 70.501,17.256 69.989,17.768 67.83,17.796 67.83,15.887 69.312,15.849 69.596,15.578 69.596,9.9 62.594,9.9 62.095,9.258 62.057,4.745 61.547,3.977 52.804,3.977 52.871,12.652 51.246,14.605 48.768,14.605 48.328,15.045 48.328,16.451 48.895,17.018 48.895,17.907 48.514,18.288 46.228,18.288 45.974,18.034 45.974,17.145 46.482,16.637 46.99,16.637 47.244,16.383 47.244,13.569 46.756,13.081 39.37,13.081
NetC2_1 on Top Layer "NETC2_1_L01_P007" (solid, pour order 7): 36.703,27.051 36.703,22.86 35.433,21.59 35.433,19.304 35.179,19.05 34.667,19.05 34.507,19.21 34.507,21.119 33.655,21.971 33.655,24.637 33.527,24.765 32.639,24.765 32.512,24.892 32.512,26.797 32.766,27.051
12V on Top Layer "12V_L01_P006" (solid, remove dead copper, pour order 6): 39.497,27.178 39.497,23.368 39.751,23.114 42.545,23.114 42.672,23.241 42.672,24.003 42.926,24.257 50.292,24.257 50.673,24.638 50.673,27.813 51.66,28.8 60.862,28.8 61.728,27.934 61.728,22.854 62.611,21.971 67.31,21.971 67.74,21.541 67.74,18.338 68.076,18.002 69.826,18.002 69.977,18.153 69.977,22.098 68.326,23.749 64.516,23.749 63.881,24.384 63.881,30.226 62.992,31.115 50.546,31.115 48.768,29.337 48.768,27.178 48.387,26.797 42.854,26.797 42.479,27.172
NetC11_1 on Top Layer "NETC11_1_L01_P003" (solid, pour order 3): 34.753,3.855 34.544,4.064 34.544,7.747 33.782,8.509 33.782,10.414 33.655,10.541 32.385,10.541 32.258,10.668 32.258,12.446 32.766,12.954 36.576,12.954 36.703,12.954 36.703,12.573 36.703,6.731 35.433,5.461 35.433,3.855
VBUS on Top Layer "VBUS_L01_P000" (solid, remove dead copper, pour order 0): 9.59,18.698 9.761,19.032 9.779,19.812 11.304,19.812 11.304,17.961 5.642,17.961 5.207,17.526 5.207,14.478 5.715,13.97 7.366,13.97 8.509,12.827 8.509,11.049 13.462,11.049 13.462,6.858 3.048,6.858 2.413,7.493 2.413,19.431 2.794,19.812 5.207,19.812 5.842,19.177 5.842,18.698
GND on Bottom Layer "GND_L02_P010" (solid, remove dead copper, pour order 10): 0.635,0 cw(c0.634,0.634) 0,0.635 0,30.988 cw(c0.953,30.924) 1.016,31.877 1.032,31.877 68.58,31.877 cw(c68.834,30.099) 70.612,30.353 70.612,1.27 cw(c69.469,1.143) 69.596,0
3.3V on Bottom Layer "3.3V_L02_P008" (solid, pour order 8): 59.248,19.549 59.258,19.558 62.611,19.558 63.5,18.669 63.5,14.605 59.309,14.605

## Keep-outs
Keep-Out Layer:
  the board outline again, w0.1

## Silkscreen, mask and mechanical layers (free items; w line width, h text height)
Top Overlay:
  drawing of 22 lines, arcs and shapes, not listed
  text "GND" at 10.106,30.438 h1
  text "SCL" at 12.773,30.438 h1
  text "SDA" at 15.186,30.438 h1
  text "3V3" at 17.726,30.438 h1
  text "GND" at 61.695,20.679 h0.8
  text "12V" at 63.874,20.678 h0.8
  text "GND" at 61.695,18.679 h0.8
  text "12V" at 63.874,18.678 h0.8
  text "GND" at 61.695,16.679 h0.8
  text "5V" at 64.061,16.684 h0.8
  text "GND" at 61.695,14.679 h0.8
  text "MODE /     B" at 63.517,14.439 h0.6
  text "EJECT" at 61.605,12.72 h0.6
  text "5V" at 64.061,12.684 h0.8
  text "NC" at 61.983,10.679 h0.8
  text "NC" at 64.011,10.679 h0.8
Bottom Overlay:
  drawing of 12 lines, arcs and shapes, not listed
Mechanical 1:
  lines w0.1: 1.016,31.877 ccw(c0.953,30.925) 0,30.988 0,0.635 ccw(c0.634,0.634) 0.635,0 69.596,0 ccw(c69.469,1.143) 70.612,1.27 70.612,30.353 ccw(c68.834,30.099) 68.58,31.877 1.032,31.877